# Altium PCB AD-FMComms3_revA.PcbDoc (part 4 of 5)
Units mil, origin at the board's own origin, x right, y up, seen from the top; angles counter-clockwise.
Board outline 3311.81 x 2716.54 mil, 10 copper layers (TOP, L2_GND, L3_PWR, L4_GND, L5_SIG, L6_SIG, L7_GND, L8_PWR, L9_GND, BOTTOM), stack 60.05 mil thick; 211 components, 138 nets, 808 pads, 812 vias.
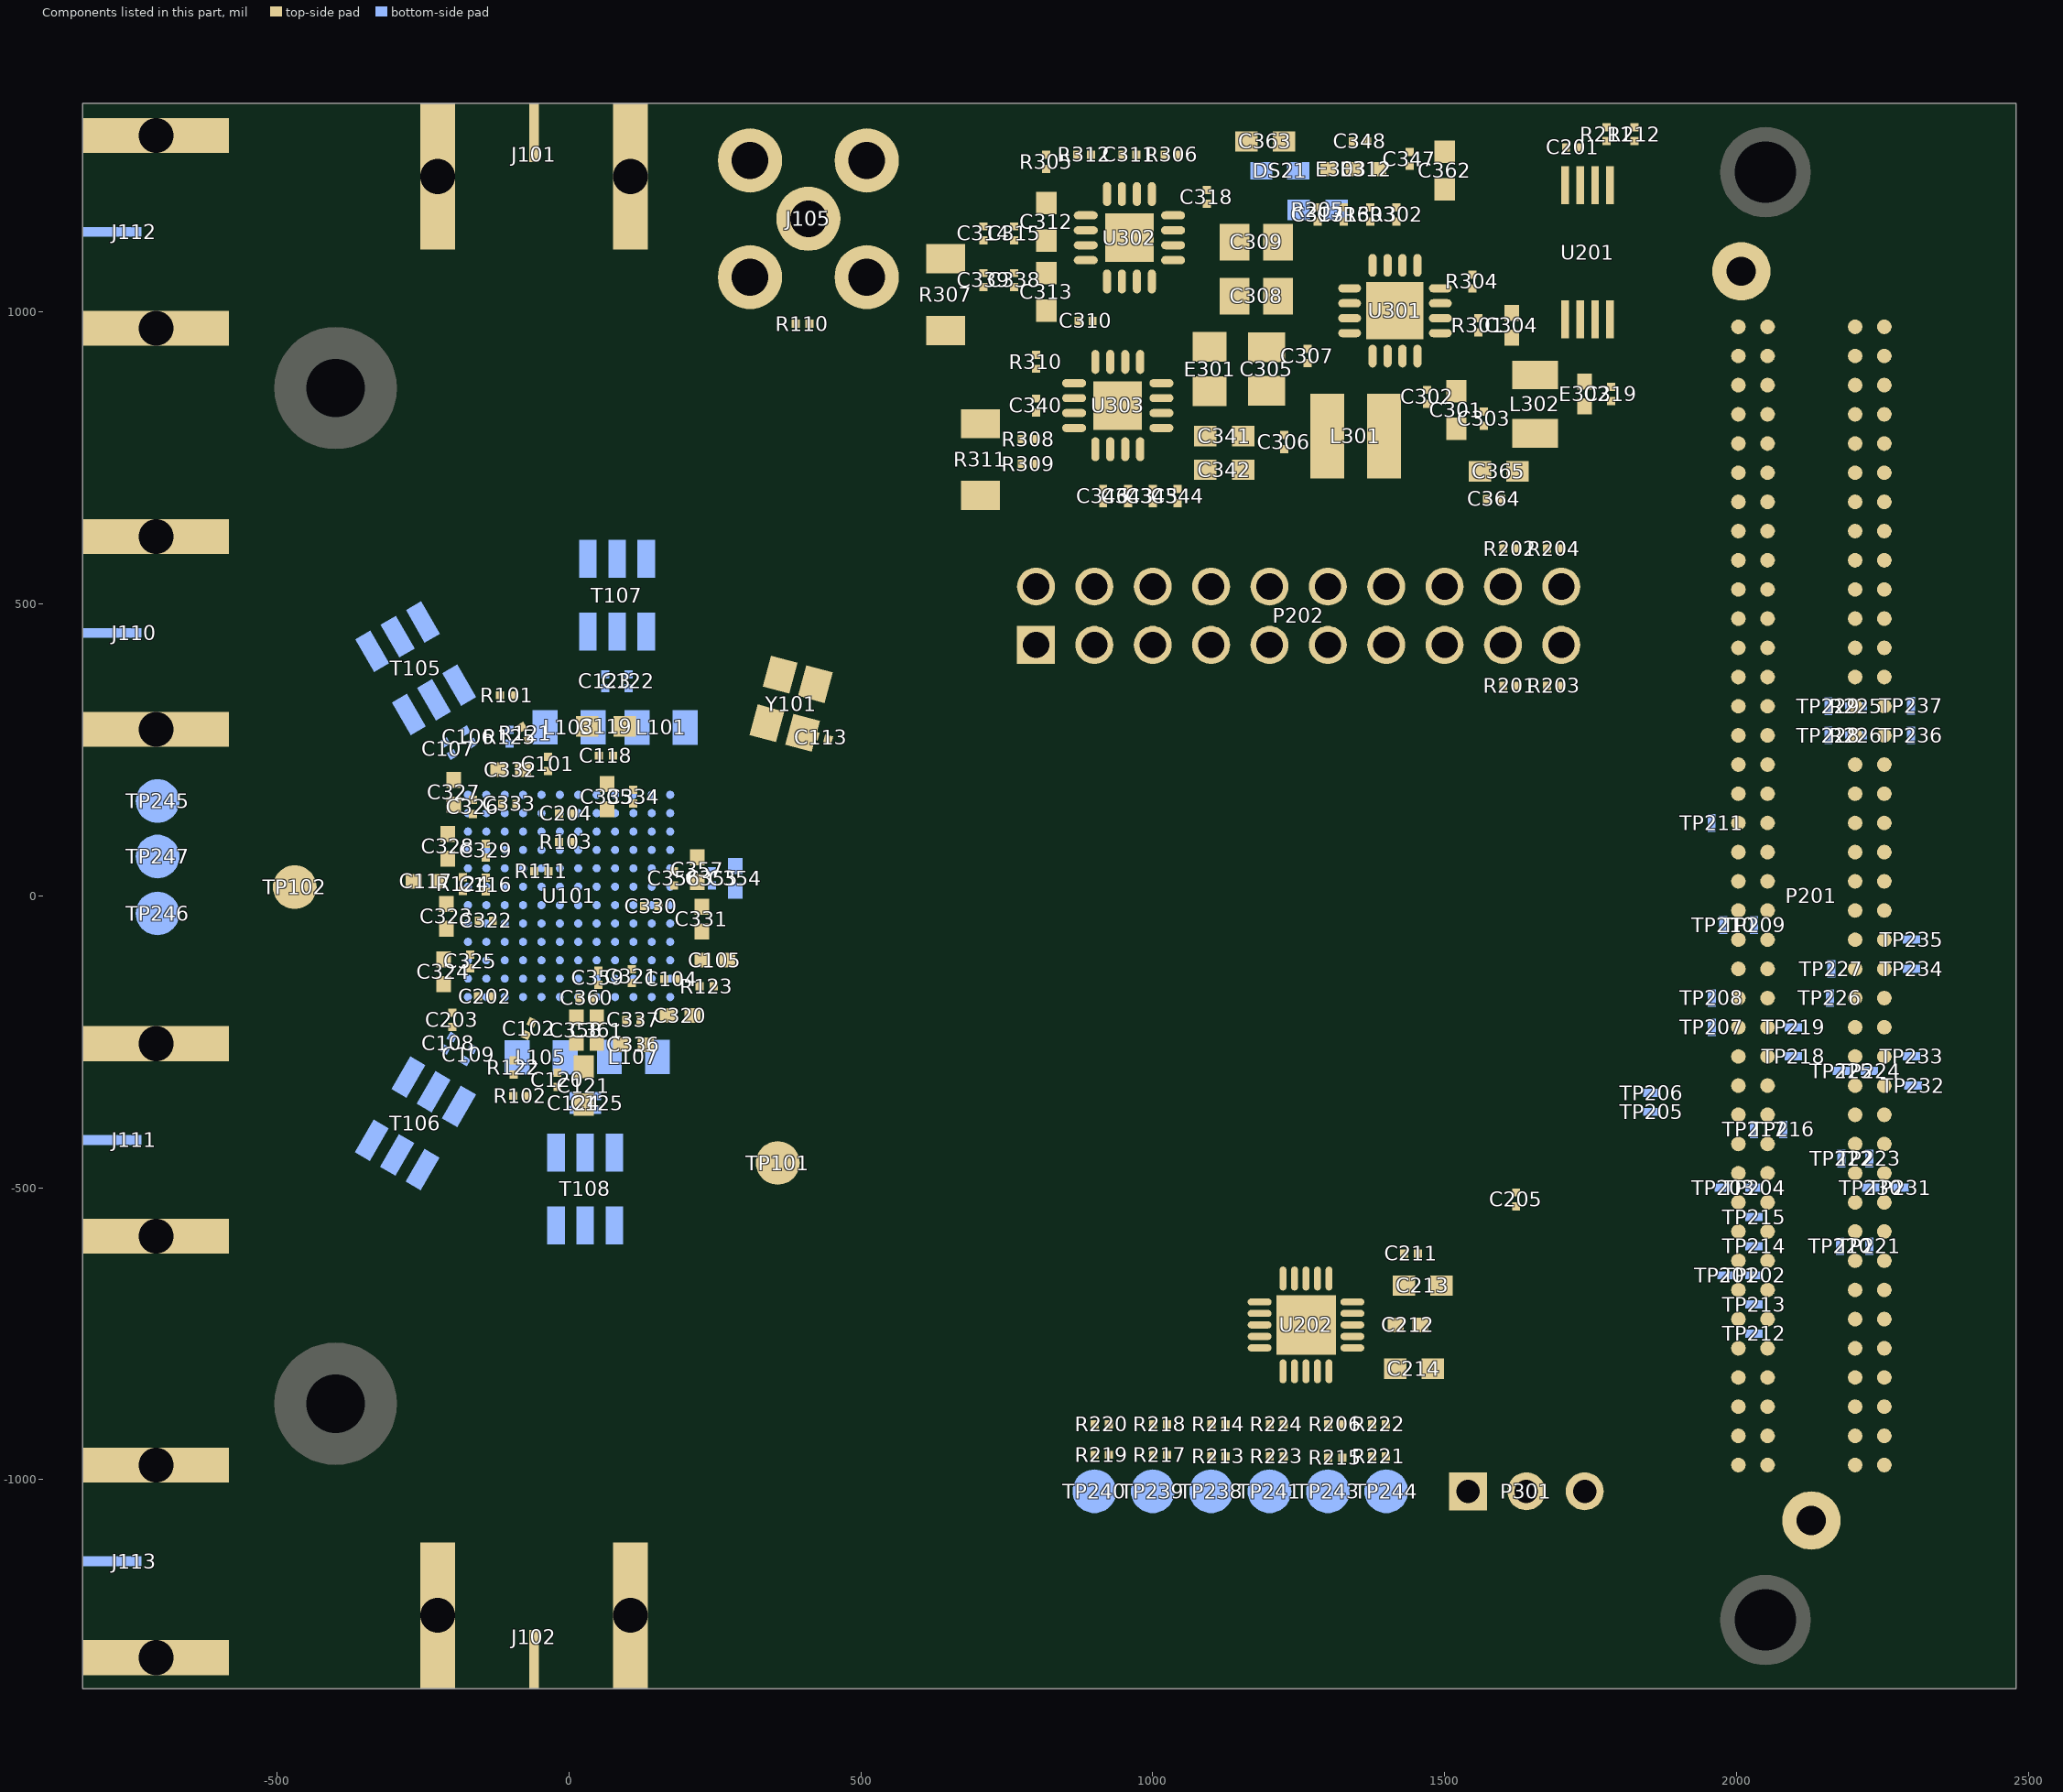
[diagram p12: the components of this part, seen from the top]

## Other copper (continued)
L2_GND:
  pour cut-out net GND_POWER: 2066.57,1070 2065.45,1081.37 2062.13,1092.31 2056.75,1102.39 2049.49,1111.22 2040.66,1118.48 2030.58,1123.86 2019.64,1127.18 2008.27,1128.3 1996.9,1127.18 1985.96,1123.86 1979.24,1120.27 1975.88,1118.48 1967.05,1111.22 1959.79,1102.39 1954.41,1092.31 1951.09,1081.37 1949.97,1070 1951.09,1058.63 1954.41,1047.69 1959.79,1037.61 1967.05,1028.78 1975.88,1021.52 1979.24,1019.73 1985.96,1016.14 1996.9,1012.82 2008.27,1011.7 2019.64,1012.82 2030.58,1016.14 2040.66,1021.52 2049.49,1028.78 2056.75,1037.61 2062.13,1047.69 2065.45,1058.63 2066.57,1070
  pour cut-out net GND_POWER: 2186.57,-1070 2185.45,-1058.63 2182.13,-1047.69 2176.75,-1037.61 2169.49,-1028.78 2160.66,-1021.52 2150.58,-1016.14 2139.64,-1012.82 2128.27,-1011.7 2116.9,-1012.82 2105.96,-1016.14 2099.24,-1019.73 2095.88,-1021.52 2087.05,-1028.78 2079.79,-1037.61 2074.41,-1047.69 2071.09,-1058.63 2069.97,-1070 2071.09,-1081.37 2074.41,-1092.31 2079.79,-1102.39 2087.05,-1111.22 2095.88,-1118.48 2099.24,-1120.27 2105.96,-1123.86 2116.9,-1127.18 2128.27,-1128.3 2139.64,-1127.18 2150.58,-1123.86 2160.66,-1118.48 2169.49,-1111.22 2176.75,-1102.39 2182.13,-1092.31 2185.45,-1081.37 2186.57,-1070
  pour cut-out net GND_POWER: 1780.87,-1020 1779.48,-1009.42 1775.39,-999.57 1768.9,-991.1 1760.43,-984.61 1750.58,-980.52 1740,-979.13 1729.42,-980.52 1719.57,-984.61 1711.1,-991.1 1704.61,-999.57 1700.52,-1009.42 1699.13,-1020 1700.52,-1030.58 1704.61,-1040.43 1711.1,-1048.9 1719.57,-1055.39 1729.42,-1059.48 1740,-1060.87 1750.58,-1059.48 1760.43,-1055.39 1768.9,-1048.9 1775.39,-1040.43 1779.48,-1030.58 1780.87,-1020
  pour cut-out net GND_POWER: 1640.87,530 1639.48,540.58 1635.39,550.43 1628.9,558.9 1620.43,565.39 1610.58,569.48 1600,570.87 1589.42,569.48 1579.57,565.39 1571.1,558.9 1564.61,550.43 1560.52,540.58 1559.13,530 1560.52,519.42 1564.61,509.57 1571.1,501.1 1579.57,494.61 1589.42,490.52 1600,489.13 1610.58,490.52 1620.43,494.61 1628.9,501.1 1635.39,509.57 1639.48,519.42 1640.87,530
  pour cut-out net GND_POWER: 1740.87,530 1739.48,540.58 1735.39,550.43 1728.9,558.9 1720.43,565.39 1710.58,569.48 1700,570.87 1689.42,569.48 1679.57,565.39 1671.1,558.9 1664.61,550.43 1660.52,540.58 1659.13,530 1660.52,519.42 1664.61,509.57 1671.1,501.1 1679.57,494.61 1689.42,490.52 1700,489.13 1710.58,490.52 1720.43,494.61 1728.9,501.1 1735.39,509.57 1739.48,519.42 1740.87,530
  pour cut-out net GND_POWER: 1640.87,430 1639.48,440.58 1635.39,450.43 1628.9,458.9 1620.43,465.39 1610.58,469.48 1600,470.87 1589.42,469.48 1579.57,465.39 1571.1,458.9 1564.61,450.43 1560.52,440.58 1559.13,430 1560.52,419.42 1564.61,409.57 1571.1,401.1 1579.57,394.61 1589.42,390.52 1600,389.13 1610.58,390.52 1620.43,394.61 1628.9,401.1 1635.39,409.57 1639.48,419.42 1640.87,430
  pour cut-out net GND_POWER: 1740.87,430 1739.48,440.58 1735.39,450.43 1728.9,458.9 1720.43,465.39 1710.58,469.48 1700,470.87 1689.42,469.48 1679.57,465.39 1671.1,458.9 1664.61,450.43 1660.52,440.58 1659.13,430 1660.52,419.42 1664.61,409.57 1671.1,401.1 1679.57,394.61 1689.42,390.52 1700,389.13 1710.58,390.52 1720.43,394.61 1728.9,401.1 1735.39,409.57 1739.48,419.42 1740.87,430
  pour cut-out net GND_POWER: 1580.87,-1020 1579.48,-1009.42 1575.39,-999.57 1568.9,-991.1 1560.43,-984.61 1550.58,-980.52 1540,-979.13 1529.42,-980.52 1519.57,-984.61 1511.1,-991.1 1504.61,-999.57 1500.52,-1009.42 1499.13,-1020 1500.52,-1030.58 1504.61,-1040.43 1511.1,-1048.9 1519.57,-1055.39 1529.42,-1059.48 1540,-1060.87 1550.58,-1059.48 1560.43,-1055.39 1568.9,-1048.9 1575.39,-1040.43 1579.48,-1030.58 1580.87,-1020
  pour cut-out net GND_POWER: 1680.87,-1020 1679.48,-1009.42 1675.39,-999.57 1668.9,-991.1 1660.43,-984.61 1650.58,-980.52 1640,-979.13 1629.42,-980.52 1619.57,-984.61 1611.1,-991.1 1604.61,-999.57 1600.52,-1009.42 1599.13,-1020 1600.52,-1030.58 1604.61,-1040.43 1611.1,-1048.9 1619.57,-1055.39 1629.42,-1059.48 1640,-1060.87 1650.58,-1059.48 1660.43,-1055.39 1668.9,-1048.9 1675.39,-1040.43 1679.48,-1030.58 1680.87,-1020
  pour cut-out net GND_POWER: 1340.87,530 1339.48,540.58 1335.39,550.43 1328.9,558.9 1320.43,565.39 1310.58,569.48 1300,570.87 1289.42,569.48 1279.57,565.39 1271.1,558.9 1264.61,550.43 1260.52,540.58 1259.13,530 1260.52,519.42 1264.61,509.57 1271.1,501.1 1279.57,494.61 1289.42,490.52 1300,489.13 1310.58,490.52 1320.43,494.61 1328.9,501.1 1335.39,509.57 1339.48,519.42 1340.87,530
  pour cut-out net GND_POWER: 1440.87,530 1439.48,540.58 1435.39,550.43 1428.9,558.9 1420.43,565.39 1410.58,569.48 1400,570.87 1389.42,569.48 1379.57,565.39 1371.1,558.9 1364.61,550.43 1360.52,540.58 1359.13,530 1360.52,519.42 1364.61,509.57 1371.1,501.1 1379.57,494.61 1389.42,490.52 1400,489.13 1410.58,490.52 1420.43,494.61 1428.9,501.1 1435.39,509.57 1439.48,519.42 1440.87,530
  pour cut-out net GND_POWER: 1540.87,530 1539.48,540.58 1535.39,550.43 1528.9,558.9 1520.43,565.39 1510.58,569.48 1500,570.87 1489.42,569.48 1479.57,565.39 1471.1,558.9 1464.61,550.43 1460.52,540.58 1459.13,530 1460.52,519.42 1464.61,509.57 1471.1,501.1 1479.57,494.61 1489.42,490.52 1500,489.13 1510.58,490.52 1520.43,494.61 1528.9,501.1 1535.39,509.57 1539.48,519.42 1540.87,530
  pour cut-out net GND_POWER: 1340.87,430 1339.48,440.58 1335.39,450.43 1328.9,458.9 1320.43,465.39 1310.58,469.48 1300,470.87 1289.42,469.48 1279.57,465.39 1271.1,458.9 1264.61,450.43 1260.52,440.58 1259.13,430 1260.52,419.42 1264.61,409.57 1271.1,401.1 1279.57,394.61 1289.42,390.52 1300,389.13 1310.58,390.52 1320.43,394.61 1328.9,401.1 1335.39,409.57 1339.48,419.42 1340.87,430
  pour cut-out net GND_POWER: 1440.87,430 1439.48,440.58 1435.39,450.43 1428.9,458.9 1420.43,465.39 1410.58,469.48 1400,470.87 1389.42,469.48 1379.57,465.39 1371.1,458.9 1364.61,450.43 1360.52,440.58 1359.13,430 1360.52,419.42 1364.61,409.57 1371.1,401.1 1379.57,394.61 1389.42,390.52 1400,389.13 1410.58,390.52 1420.43,394.61 1428.9,401.1 1435.39,409.57 1439.48,419.42 1440.87,430
  pour cut-out net GND_POWER: 1540.87,430 1539.48,440.58 1535.39,450.43 1528.9,458.9 1520.43,465.39 1510.58,469.48 1500,470.87 1489.42,469.48 1479.57,465.39 1471.1,458.9 1464.61,450.43 1460.52,440.58 1459.13,430 1460.52,419.42 1464.61,409.57 1471.1,401.1 1479.57,394.61 1489.42,390.52 1500,389.13 1510.58,390.52 1520.43,394.61 1528.9,401.1 1535.39,409.57 1539.48,419.42 1540.87,430
  pour cut-out net GND_POWER: 1140.87,530 1139.48,540.58 1135.39,550.43 1128.9,558.9 1120.43,565.39 1110.58,569.48 1100,570.87 1089.42,569.48 1079.57,565.39 1071.1,558.9 1064.61,550.43 1060.52,540.58 1059.13,530 1060.52,519.42 1064.61,509.57 1071.1,501.1 1079.57,494.61 1089.42,490.52 1100,489.13 1110.58,490.52 1120.43,494.61 1128.9,501.1 1135.39,509.57 1139.48,519.42 1140.87,530
  pour cut-out net GND_POWER: 1240.87,530 1239.48,540.58 1235.39,550.43 1228.9,558.9 1220.43,565.39 1210.58,569.48 1200,570.87 1189.42,569.48 1179.57,565.39 1171.1,558.9 1164.61,550.43 1160.52,540.58 1159.13,530 1160.52,519.42 1164.61,509.57 1171.1,501.1 1179.57,494.61 1189.42,490.52 1200,489.13 1210.58,490.52 1220.43,494.61 1228.9,501.1 1235.39,509.57 1239.48,519.42 1240.87,530
  pour cut-out net GND_POWER: 1140.87,430 1139.48,440.58 1135.39,450.43 1128.9,458.9 1120.43,465.39 1110.58,469.48 1100,470.87 1089.42,469.48 1079.57,465.39 1071.1,458.9 1064.61,450.43 1060.52,440.58 1059.13,430 1060.52,419.42 1064.61,409.57 1071.1,401.1 1079.57,394.61 1089.42,390.52 1100,389.13 1110.58,390.52 1120.43,394.61 1128.9,401.1 1135.39,409.57 1139.48,419.42 1140.87,430
  pour cut-out net GND_POWER: 1240.87,430 1239.48,440.58 1235.39,450.43 1228.9,458.9 1220.43,465.39 1210.58,469.48 1200,470.87 1189.42,469.48 1179.57,465.39 1171.1,458.9 1164.61,450.43 1160.52,440.58 1159.13,430 1160.52,419.42 1164.61,409.57 1171.1,401.1 1179.57,394.61 1189.42,390.52 1200,389.13 1210.58,390.52 1220.43,394.61 1228.9,401.1 1235.39,409.57 1239.48,419.42 1240.87,430
  pour cut-out net GND_POWER: 940.87,530 939.48,540.58 935.39,550.43 928.9,558.9 920.43,565.39 910.58,569.48 900,570.87 889.42,569.48 879.57,565.39 871.1,558.9 864.61,550.43 860.52,540.58 859.13,530 860.52,519.42 864.61,509.57 871.1,501.1 879.57,494.61 889.42,490.52 900,489.13 910.58,490.52 920.43,494.61 928.9,501.1 935.39,509.57 939.48,519.42 940.87,530
  pour cut-out net GND_POWER: 1040.87,530 1039.48,540.58 1035.39,550.43 1028.9,558.9 1020.43,565.39 1010.58,569.48 1000,570.87 989.42,569.48 979.57,565.39 971.1,558.9 964.61,550.43 960.52,540.58 959.13,530 960.52,519.42 964.61,509.57 971.1,501.1 979.57,494.61 989.42,490.52 1000,489.13 1010.58,490.52 1020.43,494.61 1028.9,501.1 1035.39,509.57 1039.48,519.42 1040.87,530
  pour cut-out net GND_POWER: 940.87,430 939.48,440.58 935.39,450.43 928.9,458.9 920.43,465.39 910.58,469.48 900,470.87 889.42,469.48 879.57,465.39 871.1,458.9 864.61,450.43 860.52,440.58 859.13,430 860.52,419.42 864.61,409.57 871.1,401.1 879.57,394.61 889.42,390.52 900,389.13 910.58,390.52 920.43,394.61 928.9,401.1 935.39,409.57 939.48,419.42 940.87,430
  pour cut-out net GND_POWER: 1040.87,430 1039.48,440.58 1035.39,450.43 1028.9,458.9 1020.43,465.39 1010.58,469.48 1000,470.87 989.42,469.48 979.57,465.39 971.1,458.9 964.61,450.43 960.52,440.58 959.13,430 960.52,419.42 964.61,409.57 971.1,401.1 979.57,394.61 989.42,390.52 1000,389.13 1010.58,390.52 1020.43,394.61 1028.9,401.1 1035.39,409.57 1039.48,419.42 1040.87,430
  pour cut-out net GND_POWER: 840.87,530 839.48,540.58 835.39,550.43 828.9,558.9 820.43,565.39 810.58,569.48 800,570.87 789.42,569.48 779.57,565.39 771.1,558.9 764.61,550.43 760.52,540.58 759.13,530 760.52,519.42 764.61,509.57 771.1,501.1 779.57,494.61 789.42,490.52 800,489.13 810.58,490.52 820.43,494.61 828.9,501.1 835.39,509.57 839.48,519.42 840.87,530
  pour cut-out net GND_POWER: 840.87,430 839.48,440.58 835.39,450.43 828.9,458.9 820.43,465.39 810.58,469.48 800,470.87 789.42,469.48 779.57,465.39 771.1,458.9 764.61,450.43 760.52,440.58 759.13,430 760.52,419.42 764.61,409.57 771.1,401.1 779.57,394.61 789.42,390.52 800,389.13 810.58,390.52 820.43,394.61 828.9,401.1 835.39,409.57 839.48,419.42 840.87,430
  region net GND_POWER: 738 vertices and 0 holes, not listed, extent -833.07,-1357.5 2452.5,1357.5
  text "2" at 2422.03,1284.48 h31 r270
L3_PWR:
  pour cut-out net GND_POWER: 2186.57,-1070 2185.45,-1058.63 2182.13,-1047.69 2176.75,-1037.61 2169.49,-1028.78 2160.66,-1021.52 2150.58,-1016.14 2139.64,-1012.82 2128.27,-1011.7 2116.9,-1012.82 2105.96,-1016.14 2099.24,-1019.73 2095.88,-1021.52 2087.05,-1028.78 2079.79,-1037.61 2074.41,-1047.69 2071.09,-1058.63 2069.97,-1070 2071.09,-1081.37 2074.41,-1092.31 2079.79,-1102.39 2087.05,-1111.22 2095.88,-1118.48 2099.24,-1120.27 2105.96,-1123.86 2116.9,-1127.18 2128.27,-1128.3 2139.64,-1127.18 2150.58,-1123.86 2160.66,-1118.48 2169.49,-1111.22 2176.75,-1102.39 2182.13,-1092.31 2185.45,-1081.37 2186.57,-1070
  pour cut-out: 1109.34,-988.01 1109.08,-988.25 1108.81,-988.46 1108.51,-988.64 1108.2,-988.8 1107.88,-988.94 1107.55,-989.04 1107.21,-989.12 1106.86,-989.16 1106.51,-989.18 1106.16,-989.16 1105.82,-989.11 1105.48,-989.04 1105.14,-988.93 1104.82,-988.8 1104.51,-988.64 1104.22,-988.45 1103.94,-988.24 1103.69,-988 1103.45,-987.74 1103.24,-987.47 1103.05,-987.17 1102.89,-986.86 1102.76,-986.54 1102.65,-986.21 1102.58,-985.87 1102.53,-985.52 1102.52,-985.18 1102.52,-742.86 1114.66,-730.72 1114.92,-730.48 1115.19,-730.27 1115.49,-730.09 1115.8,-729.93 1116.12,-729.79 1116.45,-729.69 1116.79,-729.61 1117.14,-729.57 1117.49,-729.55 1117.84,-729.57 1118.18,-729.61 1118.52,-729.69 1118.85,-729.8 1119.18,-729.93 1119.49,-730.09 1119.78,-730.28 1120.06,-730.49 1120.31,-730.73 1120.55,-730.98 1120.76,-731.26 1120.95,-731.56 1121.11,-731.87 1121.24,-732.19 1121.35,-732.52 1121.42,-732.86 1121.47,-733.21 1121.48,-733.55 1121.48,-975.87 1109.34,-988.01
  pour cut-out: 1572.71,459.95 1572.44,459.73 1572.16,459.53 1571.85,459.35 1571.54,459.21 1571.21,459.09 1570.87,459 1570.53,458.94 1570.18,458.91 1569.83,458.91 1569.48,458.94 1569.14,459.01 1568.8,459.1 1568.48,459.22 1568.16,459.37 1567.86,459.54 1567.57,459.74 1567.31,459.97 1567.06,460.22 1566.84,460.48 1566.64,460.77 1566.47,461.07 1566.32,461.39 1566.2,461.72 1566.11,462.05 1566.05,462.4 1566.02,462.75 1566.02,462.9 1566.02,497.1 1566.04,497.45 1566.08,497.79 1566.16,498.13 1566.26,498.47 1566.4,498.79 1566.56,499.1 1566.75,499.39 1566.96,499.67 1567.2,499.93 1567.45,500.16 1567.73,500.37 1568.03,500.56 1568.34,500.72 1568.66,500.85 1568.99,500.96 1569.33,501.03 1569.68,501.08 1570.03,501.09 1570.37,501.08 1570.72,501.03 1571.06,500.95 1571.39,500.85 1571.71,500.71 1572.02,500.55 1572.32,500.36 1572.59,500.15 1572.71,500.05 1575.42,497.78 1578.32,495.76 1581.39,494.01 1584.6,492.52 1587.92,491.32 1591.34,490.41 1594.82,489.81 1598.35,489.51 1601.88,489.52 1603.17,489.6 1603.52,489.61 1603.87,489.59 1604.21,489.55 1604.55,489.47 1604.88,489.36 1605.2,489.22 1605.51,489.06 1605.8,488.87 1606.08,488.65 1606.33,488.42 1606.57,488.16 1606.78,487.88 1606.96,487.58 1607.12,487.27 1607.25,486.95 1607.35,486.62 1607.43,486.28 1607.47,485.93 1607.48,485.62 1607.48,474.38 1607.46,474.03 1607.42,473.69 1607.34,473.35 1607.24,473.01 1607.1,472.69 1606.94,472.38 1606.75,472.09 1606.54,471.81 1606.31,471.56 1606.05,471.32 1605.77,471.11 1605.48,470.92 1605.17,470.76 1604.85,470.63 1604.51,470.52 1604.17,470.45 1603.83,470.4 1603.48,470.39 1603.17,470.4 1599.64,470.52 1596.11,470.34 1592.61,469.84 1589.16,469.05 1585.8,467.95 1582.55,466.57 1579.43,464.91 1576.46,462.98 1573.68,460.8 1572.71,459.95
  pour cut-out: 1572.71,559.95 1572.44,559.73 1572.16,559.53 1571.85,559.35 1571.54,559.21 1571.21,559.09 1570.87,559 1570.53,558.94 1570.18,558.91 1569.83,558.91 1569.48,558.94 1569.14,559.01 1568.8,559.1 1568.48,559.22 1568.16,559.37 1567.86,559.54 1567.57,559.74 1567.31,559.97 1567.06,560.22 1566.84,560.48 1566.64,560.77 1566.47,561.07 1566.32,561.39 1566.2,561.72 1566.11,562.05 1566.05,562.4 1566.02,562.75 1566.02,562.9 1566.02,610.87 1600.66,645.51 1600.92,645.75 1601.19,645.96 1601.49,646.15 1601.8,646.31 1602.12,646.44 1602.45,646.55 1602.79,646.62 1603.14,646.67 1603.49,646.68 1603.84,646.67 1604.18,646.62 1604.52,646.55 1604.86,646.44 1605.18,646.31 1605.49,646.15 1605.78,645.96 1606.06,645.75 1606.32,645.51 1606.55,645.25 1606.77,644.98 1606.95,644.68 1607.12,644.37 1607.25,644.05 1607.35,643.72 1607.43,643.38 1607.47,643.03 1607.49,642.68 1607.49,574.38 1607.47,574.03 1607.43,573.69 1607.35,573.35 1607.25,573.01 1607.11,572.69 1606.95,572.38 1606.76,572.09 1606.55,571.81 1606.31,571.55 1606.06,571.32 1605.78,571.11 1605.48,570.92 1605.17,570.76 1604.85,570.63 1604.52,570.52 1604.18,570.45 1603.83,570.4 1603.48,570.39 1603.17,570.4 1599.64,570.52 1596.11,570.34 1592.61,569.84 1589.16,569.05 1585.8,567.95 1582.55,566.57 1579.43,564.91 1576.46,562.98 1573.68,560.8 1572.71,559.95
  pour cut-out net GND_POWER: 1440.87,430 1439.48,440.58 1435.39,450.43 1428.9,458.9 1420.43,465.39 1410.58,469.48 1400,470.87 1389.42,469.48 1379.57,465.39 1371.1,458.9 1364.61,450.43 1360.52,440.58 1359.13,430 1360.52,419.42 1364.61,409.57 1371.1,401.1 1379.57,394.61 1389.42,390.52 1400,389.13 1410.58,390.52 1420.43,394.61 1428.9,401.1 1435.39,409.57 1439.48,419.42 1440.87,430
  pour cut-out net 3P3V: 1780.87,-1020 1779.48,-1009.42 1775.39,-999.57 1768.9,-991.1 1760.43,-984.61 1750.58,-980.52 1740,-979.13 1729.42,-980.52 1719.57,-984.61 1711.1,-991.1 1704.61,-999.57 1700.52,-1009.42 1699.13,-1020 1700.52,-1030.58 1704.61,-1040.43 1711.1,-1048.9 1719.57,-1055.39 1729.42,-1059.48 1740,-1060.87 1750.58,-1059.48 1760.43,-1055.39 1768.9,-1048.9 1775.39,-1040.43 1779.48,-1030.58 1780.87,-1020
  pour cut-out net 3P3V: 1740.87,530 1739.48,540.58 1735.39,550.43 1728.9,558.9 1720.43,565.39 1710.58,569.48 1700,570.87 1689.42,569.48 1679.57,565.39 1671.1,558.9 1664.61,550.43 1660.52,540.58 1659.13,530 1660.52,519.42 1664.61,509.57 1671.1,501.1 1679.57,494.61 1689.42,490.52 1700,489.13 1710.58,490.52 1720.43,494.61 1728.9,501.1 1735.39,509.57 1739.48,519.42 1740.87,530
  pour cut-out net 3P3V: 1580.87,-1020 1579.48,-1009.42 1575.39,-999.57 1568.9,-991.1 1560.43,-984.61 1550.58,-980.52 1540,-979.13 1529.42,-980.52 1519.57,-984.61 1511.1,-991.1 1504.61,-999.57 1500.52,-1009.42 1499.13,-1020 1500.52,-1030.58 1504.61,-1040.43 1511.1,-1048.9 1519.57,-1055.39 1529.42,-1059.48 1540,-1060.87 1550.58,-1059.48 1560.43,-1055.39 1568.9,-1048.9 1575.39,-1040.43 1579.48,-1030.58 1580.87,-1020
  pour cut-out net 3P3V: 1680.87,-1020 1679.48,-1009.42 1675.39,-999.57 1668.9,-991.1 1660.43,-984.61 1650.58,-980.52 1640,-979.13 1629.42,-980.52 1619.57,-984.61 1611.1,-991.1 1604.61,-999.57 1600.52,-1009.42 1599.13,-1020 1600.52,-1030.58 1604.61,-1040.43 1611.1,-1048.9 1619.57,-1055.39 1629.42,-1059.48 1640,-1060.87 1650.58,-1059.48 1660.43,-1055.39 1668.9,-1048.9 1675.39,-1040.43 1679.48,-1030.58 1680.87,-1020
  pour cut-out net VDD_INTERFACE: 1140.87,530 1139.48,540.58 1135.39,550.43 1128.9,558.9 1120.43,565.39 1110.58,569.48 1100,570.87 1089.42,569.48 1079.57,565.39 1071.1,558.9 1064.61,550.43 1060.52,540.58 1059.13,530 1060.52,519.42 1064.61,509.57 1071.1,501.1 1079.57,494.61 1089.42,490.52 1100,489.13 1110.58,490.52 1120.43,494.61 1128.9,501.1 1135.39,509.57 1139.48,519.42 1140.87,530
  pour cut-out net VDD_INTERFACE: 1240.87,530 1239.48,540.58 1235.39,550.43 1228.9,558.9 1220.43,565.39 1210.58,569.48 1200,570.87 1189.42,569.48 1179.57,565.39 1171.1,558.9 1164.61,550.43 1160.52,540.58 1159.13,530 1160.52,519.42 1164.61,509.57 1171.1,501.1 1179.57,494.61 1189.42,490.52 1200,489.13 1210.58,490.52 1220.43,494.61 1228.9,501.1 1235.39,509.57 1239.48,519.42 1240.87,530
  pour cut-out net VDD_INTERFACE: 1140.87,430 1139.48,440.58 1135.39,450.43 1128.9,458.9 1120.43,465.39 1110.58,469.48 1100,470.87 1089.42,469.48 1079.57,465.39 1071.1,458.9 1064.61,450.43 1060.52,440.58 1059.13,430 1060.52,419.42 1064.61,409.57 1071.1,401.1 1079.57,394.61 1089.42,390.52 1100,389.13 1110.58,390.52 1120.43,394.61 1128.9,401.1 1135.39,409.57 1139.48,419.42 1140.87,430
  pour cut-out net VDD_INTERFACE: 940.87,530 939.48,540.58 935.39,550.43 928.9,558.9 920.43,565.39 910.58,569.48 900,570.87 889.42,569.48 879.57,565.39 871.1,558.9 864.61,550.43 860.52,540.58 859.13,530 860.52,519.42 864.61,509.57 871.1,501.1 879.57,494.61 889.42,490.52 900,489.13 910.58,490.52 920.43,494.61 928.9,501.1 935.39,509.57 939.48,519.42 940.87,530
  pour cut-out net VDD_INTERFACE: 1040.87,530 1039.48,540.58 1035.39,550.43 1028.9,558.9 1020.43,565.39 1010.58,569.48 1000,570.87 989.42,569.48 979.57,565.39 971.1,558.9 964.61,550.43 960.52,540.58 959.13,530 960.52,519.42 964.61,509.57 971.1,501.1 979.57,494.61 989.42,490.52 1000,489.13 1010.58,490.52 1020.43,494.61 1028.9,501.1 1035.39,509.57 1039.48,519.42 1040.87,530
  pour cut-out net VDD_INTERFACE: 940.87,430 939.48,440.58 935.39,450.43 928.9,458.9 920.43,465.39 910.58,469.48 900,470.87 889.42,469.48 879.57,465.39 871.1,458.9 864.61,450.43 860.52,440.58 859.13,430 860.52,419.42 864.61,409.57 871.1,401.1 879.57,394.61 889.42,390.52 900,389.13 910.58,390.52 920.43,394.61 928.9,401.1 935.39,409.57 939.48,419.42 940.87,430
  pour cut-out net VDD_INTERFACE: 1040.87,430 1039.48,440.58 1035.39,450.43 1028.9,458.9 1020.43,465.39 1010.58,469.48 1000,470.87 989.42,469.48 979.57,465.39 971.1,458.9 964.61,450.43 960.52,440.58 959.13,430 960.52,419.42 964.61,409.57 971.1,401.1 979.57,394.61 989.42,390.52 1000,389.13 1010.58,390.52 1020.43,394.61 1028.9,401.1 1035.39,409.57 1039.48,419.42 1040.87,430
  pour cut-out net VDD_INTERFACE: 840.87,530 839.48,540.58 835.39,550.43 828.9,558.9 820.43,565.39 810.58,569.48 800,570.87 789.42,569.48 779.57,565.39 771.1,558.9 764.61,550.43 760.52,540.58 759.13,530 760.52,519.42 764.61,509.57 771.1,501.1 779.57,494.61 789.42,490.52 800,489.13 810.58,490.52 820.43,494.61 828.9,501.1 835.39,509.57 839.48,519.42 840.87,530
  pour cut-out net VDD_INTERFACE: 840.87,430 839.48,440.58 835.39,450.43 828.9,458.9 820.43,465.39 810.58,469.48 800,470.87 789.42,469.48 779.57,465.39 771.1,458.9 764.61,450.43 760.52,440.58 759.13,430 760.52,419.42 764.61,409.57 771.1,401.1 779.57,394.61 789.42,390.52 800,389.13 810.58,390.52 820.43,394.61 828.9,401.1 835.39,409.57 839.48,419.42 840.87,430
  text "3" at 2422.03,1234.48 h31 r270
L4_GND:
  pour cut-out net GND_POWER: 2066.57,1070 2065.45,1081.37 2062.13,1092.31 2056.75,1102.39 2049.49,1111.22 2040.66,1118.48 2030.58,1123.86 2019.64,1127.18 2008.27,1128.3 1996.9,1127.18 1985.96,1123.86 1979.24,1120.27 1975.88,1118.48 1967.05,1111.22 1959.79,1102.39 1954.41,1092.31 1951.09,1081.37 1949.97,1070 1951.09,1058.63 1954.41,1047.69 1959.79,1037.61 1967.05,1028.78 1975.88,1021.52 1979.24,1019.73 1985.96,1016.14 1996.9,1012.82 2008.27,1011.7 2019.64,1012.82 2030.58,1016.14 2040.66,1021.52 2049.49,1028.78 2056.75,1037.61 2062.13,1047.69 2065.45,1058.63 2066.57,1070
  pour cut-out net GND_POWER: 2186.57,-1070 2185.45,-1058.63 2182.13,-1047.69 2176.75,-1037.61 2169.49,-1028.78 2160.66,-1021.52 2150.58,-1016.14 2139.64,-1012.82 2128.27,-1011.7 2116.9,-1012.82 2105.96,-1016.14 2099.24,-1019.73 2095.88,-1021.52 2087.05,-1028.78 2079.79,-1037.61 2074.41,-1047.69 2071.09,-1058.63 2069.97,-1070 2071.09,-1081.37 2074.41,-1092.31 2079.79,-1102.39 2087.05,-1111.22 2095.88,-1118.48 2099.24,-1120.27 2105.96,-1123.86 2116.9,-1127.18 2128.27,-1128.3 2139.64,-1127.18 2150.58,-1123.86 2160.66,-1118.48 2169.49,-1111.22 2176.75,-1102.39 2182.13,-1092.31 2185.45,-1081.37 2186.57,-1070
  pour cut-out net GND_POWER: 1780.87,-1020 1779.48,-1009.42 1775.39,-999.57 1768.9,-991.1 1760.43,-984.61 1750.58,-980.52 1740,-979.13 1729.42,-980.52 1719.57,-984.61 1711.1,-991.1 1704.61,-999.57 1700.52,-1009.42 1699.13,-1020 1700.52,-1030.58 1704.61,-1040.43 1711.1,-1048.9 1719.57,-1055.39 1729.42,-1059.48 1740,-1060.87 1750.58,-1059.48 1760.43,-1055.39 1768.9,-1048.9 1775.39,-1040.43 1779.48,-1030.58 1780.87,-1020
  pour cut-out net GND_POWER: 1640.87,530 1639.48,540.58 1635.39,550.43 1628.9,558.9 1620.43,565.39 1610.58,569.48 1600,570.87 1589.42,569.48 1579.57,565.39 1571.1,558.9 1564.61,550.43 1560.52,540.58 1559.13,530 1560.52,519.42 1564.61,509.57 1571.1,501.1 1579.57,494.61 1589.42,490.52 1600,489.13 1610.58,490.52 1620.43,494.61 1628.9,501.1 1635.39,509.57 1639.48,519.42 1640.87,530
  pour cut-out net GND_POWER: 1740.87,530 1739.48,540.58 1735.39,550.43 1728.9,558.9 1720.43,565.39 1710.58,569.48 1700,570.87 1689.42,569.48 1679.57,565.39 1671.1,558.9 1664.61,550.43 1660.52,540.58 1659.13,530 1660.52,519.42 1664.61,509.57 1671.1,501.1 1679.57,494.61 1689.42,490.52 1700,489.13 1710.58,490.52 1720.43,494.61 1728.9,501.1 1735.39,509.57 1739.48,519.42 1740.87,530
  pour cut-out net GND_POWER: 1640.87,430 1639.48,440.58 1635.39,450.43 1628.9,458.9 1620.43,465.39 1610.58,469.48 1600,470.87 1589.42,469.48 1579.57,465.39 1571.1,458.9 1564.61,450.43 1560.52,440.58 1559.13,430 1560.52,419.42 1564.61,409.57 1571.1,401.1 1579.57,394.61 1589.42,390.52 1600,389.13 1610.58,390.52 1620.43,394.61 1628.9,401.1 1635.39,409.57 1639.48,419.42 1640.87,430
  pour cut-out net GND_POWER: 1740.87,430 1739.48,440.58 1735.39,450.43 1728.9,458.9 1720.43,465.39 1710.58,469.48 1700,470.87 1689.42,469.48 1679.57,465.39 1671.1,458.9 1664.61,450.43 1660.52,440.58 1659.13,430 1660.52,419.42 1664.61,409.57 1671.1,401.1 1679.57,394.61 1689.42,390.52 1700,389.13 1710.58,390.52 1720.43,394.61 1728.9,401.1 1735.39,409.57 1739.48,419.42 1740.87,430
  pour cut-out net GND_POWER: 1580.87,-1020 1579.48,-1009.42 1575.39,-999.57 1568.9,-991.1 1560.43,-984.61 1550.58,-980.52 1540,-979.13 1529.42,-980.52 1519.57,-984.61 1511.1,-991.1 1504.61,-999.57 1500.52,-1009.42 1499.13,-1020 1500.52,-1030.58 1504.61,-1040.43 1511.1,-1048.9 1519.57,-1055.39 1529.42,-1059.48 1540,-1060.87 1550.58,-1059.48 1560.43,-1055.39 1568.9,-1048.9 1575.39,-1040.43 1579.48,-1030.58 1580.87,-1020
  pour cut-out net GND_POWER: 1680.87,-1020 1679.48,-1009.42 1675.39,-999.57 1668.9,-991.1 1660.43,-984.61 1650.58,-980.52 1640,-979.13 1629.42,-980.52 1619.57,-984.61 1611.1,-991.1 1604.61,-999.57 1600.52,-1009.42 1599.13,-1020 1600.52,-1030.58 1604.61,-1040.43 1611.1,-1048.9 1619.57,-1055.39 1629.42,-1059.48 1640,-1060.87 1650.58,-1059.48 1660.43,-1055.39 1668.9,-1048.9 1675.39,-1040.43 1679.48,-1030.58 1680.87,-1020
  pour cut-out net GND_POWER: 1340.87,530 1339.48,540.58 1335.39,550.43 1328.9,558.9 1320.43,565.39 1310.58,569.48 1300,570.87 1289.42,569.48 1279.57,565.39 1271.1,558.9 1264.61,550.43 1260.52,540.58 1259.13,530 1260.52,519.42 1264.61,509.57 1271.1,501.1 1279.57,494.61 1289.42,490.52 1300,489.13 1310.58,490.52 1320.43,494.61 1328.9,501.1 1335.39,509.57 1339.48,519.42 1340.87,530
  pour cut-out net GND_POWER: 1440.87,530 1439.48,540.58 1435.39,550.43 1428.9,558.9 1420.43,565.39 1410.58,569.48 1400,570.87 1389.42,569.48 1379.57,565.39 1371.1,558.9 1364.61,550.43 1360.52,540.58 1359.13,530 1360.52,519.42 1364.61,509.57 1371.1,501.1 1379.57,494.61 1389.42,490.52 1400,489.13 1410.58,490.52 1420.43,494.61 1428.9,501.1 1435.39,509.57 1439.48,519.42 1440.87,530
  pour cut-out net GND_POWER: 1540.87,530 1539.48,540.58 1535.39,550.43 1528.9,558.9 1520.43,565.39 1510.58,569.48 1500,570.87 1489.42,569.48 1479.57,565.39 1471.1,558.9 1464.61,550.43 1460.52,540.58 1459.13,530 1460.52,519.42 1464.61,509.57 1471.1,501.1 1479.57,494.61 1489.42,490.52 1500,489.13 1510.58,490.52 1520.43,494.61 1528.9,501.1 1535.39,509.57 1539.48,519.42 1540.87,530
  pour cut-out net GND_POWER: 1340.87,430 1339.48,440.58 1335.39,450.43 1328.9,458.9 1320.43,465.39 1310.58,469.48 1300,470.87 1289.42,469.48 1279.57,465.39 1271.1,458.9 1264.61,450.43 1260.52,440.58 1259.13,430 1260.52,419.42 1264.61,409.57 1271.1,401.1 1279.57,394.61 1289.42,390.52 1300,389.13 1310.58,390.52 1320.43,394.61 1328.9,401.1 1335.39,409.57 1339.48,419.42 1340.87,430
  pour cut-out net GND_POWER: 1440.87,430 1439.48,440.58 1435.39,450.43 1428.9,458.9 1420.43,465.39 1410.58,469.48 1400,470.87 1389.42,469.48 1379.57,465.39 1371.1,458.9 1364.61,450.43 1360.52,440.58 1359.13,430 1360.52,419.42 1364.61,409.57 1371.1,401.1 1379.57,394.61 1389.42,390.52 1400,389.13 1410.58,390.52 1420.43,394.61 1428.9,401.1 1435.39,409.57 1439.48,419.42 1440.87,430
  pour cut-out net GND_POWER: 1540.87,430 1539.48,440.58 1535.39,450.43 1528.9,458.9 1520.43,465.39 1510.58,469.48 1500,470.87 1489.42,469.48 1479.57,465.39 1471.1,458.9 1464.61,450.43 1460.52,440.58 1459.13,430 1460.52,419.42 1464.61,409.57 1471.1,401.1 1479.57,394.61 1489.42,390.52 1500,389.13 1510.58,390.52 1520.43,394.61 1528.9,401.1 1535.39,409.57 1539.48,419.42 1540.87,430
  pour cut-out net GND_POWER: 1140.87,530 1139.48,540.58 1135.39,550.43 1128.9,558.9 1120.43,565.39 1110.58,569.48 1100,570.87 1089.42,569.48 1079.57,565.39 1071.1,558.9 1064.61,550.43 1060.52,540.58 1059.13,530 1060.52,519.42 1064.61,509.57 1071.1,501.1 1079.57,494.61 1089.42,490.52 1100,489.13 1110.58,490.52 1120.43,494.61 1128.9,501.1 1135.39,509.57 1139.48,519.42 1140.87,530
  pour cut-out net GND_POWER: 1240.87,530 1239.48,540.58 1235.39,550.43 1228.9,558.9 1220.43,565.39 1210.58,569.48 1200,570.87 1189.42,569.48 1179.57,565.39 1171.1,558.9 1164.61,550.43 1160.52,540.58 1159.13,530 1160.52,519.42 1164.61,509.57 1171.1,501.1 1179.57,494.61 1189.42,490.52 1200,489.13 1210.58,490.52 1220.43,494.61 1228.9,501.1 1235.39,509.57 1239.48,519.42 1240.87,530
  pour cut-out net GND_POWER: 1140.87,430 1139.48,440.58 1135.39,450.43 1128.9,458.9 1120.43,465.39 1110.58,469.48 1100,470.87 1089.42,469.48 1079.57,465.39 1071.1,458.9 1064.61,450.43 1060.52,440.58 1059.13,430 1060.52,419.42 1064.61,409.57 1071.1,401.1 1079.57,394.61 1089.42,390.52 1100,389.13 1110.58,390.52 1120.43,394.61 1128.9,401.1 1135.39,409.57 1139.48,419.42 1140.87,430
  pour cut-out net GND_POWER: 1240.87,430 1239.48,440.58 1235.39,450.43 1228.9,458.9 1220.43,465.39 1210.58,469.48 1200,470.87 1189.42,469.48 1179.57,465.39 1171.1,458.9 1164.61,450.43 1160.52,440.58 1159.13,430 1160.52,419.42 1164.61,409.57 1171.1,401.1 1179.57,394.61 1189.42,390.52 1200,389.13 1210.58,390.52 1220.43,394.61 1228.9,401.1 1235.39,409.57 1239.48,419.42 1240.87,430
  pour cut-out net GND_POWER: 940.87,530 939.48,540.58 935.39,550.43 928.9,558.9 920.43,565.39 910.58,569.48 900,570.87 889.42,569.48 879.57,565.39 871.1,558.9 864.61,550.43 860.52,540.58 859.13,530 860.52,519.42 864.61,509.57 871.1,501.1 879.57,494.61 889.42,490.52 900,489.13 910.58,490.52 920.43,494.61 928.9,501.1 935.39,509.57 939.48,519.42 940.87,530
  pour cut-out net GND_POWER: 1040.87,530 1039.48,540.58 1035.39,550.43 1028.9,558.9 1020.43,565.39 1010.58,569.48 1000,570.87 989.42,569.48 979.57,565.39 971.1,558.9 964.61,550.43 960.52,540.58 959.13,530 960.52,519.42 964.61,509.57 971.1,501.1 979.57,494.61 989.42,490.52 1000,489.13 1010.58,490.52 1020.43,494.61 1028.9,501.1 1035.39,509.57 1039.48,519.42 1040.87,530
  pour cut-out net GND_POWER: 940.87,430 939.48,440.58 935.39,450.43 928.9,458.9 920.43,465.39 910.58,469.48 900,470.87 889.42,469.48 879.57,465.39 871.1,458.9 864.61,450.43 860.52,440.58 859.13,430 860.52,419.42 864.61,409.57 871.1,401.1 879.57,394.61 889.42,390.52 900,389.13 910.58,390.52 920.43,394.61 928.9,401.1 935.39,409.57 939.48,419.42 940.87,430
  pour cut-out net GND_POWER: 1040.87,430 1039.48,440.58 1035.39,450.43 1028.9,458.9 1020.43,465.39 1010.58,469.48 1000,470.87 989.42,469.48 979.57,465.39 971.1,458.9 964.61,450.43 960.52,440.58 959.13,430 960.52,419.42 964.61,409.57 971.1,401.1 979.57,394.61 989.42,390.52 1000,389.13 1010.58,390.52 1020.43,394.61 1028.9,401.1 1035.39,409.57 1039.48,419.42 1040.87,430
  pour cut-out net GND_POWER: 840.87,530 839.48,540.58 835.39,550.43 828.9,558.9 820.43,565.39 810.58,569.48 800,570.87 789.42,569.48 779.57,565.39 771.1,558.9 764.61,550.43 760.52,540.58 759.13,530 760.52,519.42 764.61,509.57 771.1,501.1 779.57,494.61 789.42,490.52 800,489.13 810.58,490.52 820.43,494.61 828.9,501.1 835.39,509.57 839.48,519.42 840.87,530
  pour cut-out net GND_POWER: 840.87,430 839.48,440.58 835.39,450.43 828.9,458.9 820.43,465.39 810.58,469.48 800,470.87 789.42,469.48 779.57,465.39 771.1,458.9 764.61,450.43 760.52,440.58 759.13,430 760.52,419.42 764.61,409.57 771.1,401.1 779.57,394.61 789.42,390.52 800,389.13 810.58,390.52 820.43,394.61 828.9,401.1 835.39,409.57 839.48,419.42 840.87,430
  region net GND_POWER: 737 vertices and 0 holes, not listed, extent -833.07,-1357.5 2452.5,1357.5
  text "4" at 2422.03,1184.48 h31 r270
L5_SIG:
  drawing of 19 lines, arcs and shapes, not listed
  text "5" at 2422.03,1134.48 h31 r270
L6_SIG:
  pour cut-out: 1862.5,-607.5 332.5,-607.5 -67.5,-207.5 -67.5,335 495,897.5 1540,897.5 1605,832.5 1642.5,832.5 1642.5,820 1677.5,785 1817.5,785 2186.2,416.3 2186.49,417.41 2187.05,419.97 2187.24,421.27 2187.3,421.61 2187.39,421.95 2187.5,422.28 2187.65,422.6 2187.82,422.9 2188.02,423.19 2188.24,423.45 2188.49,423.7 2188.75,423.93 2189.04,424.13 2189.34,424.31 2189.65,424.46 2189.98,424.58 2190.32,424.67 2190.66,424.73 2191.01,424.76 2191.36,424.77 2191.7,424.74 2192.05,424.68 2192.38,424.59 2192.71,424.47 2193.03,424.33 2193.33,424.16 2193.62,423.96 2193.89,423.74 2194.03,423.6 2262.53,355.11 2262.77,354.85 2262.98,354.58 2263.17,354.28 2263.33,353.97 2263.46,353.65 2263.57,353.32 2263.64,352.98 2263.69,352.63 2263.7,352.28 2263.69,351.93 2263.64,351.59 2263.56,351.24 2263.46,350.91 2263.33,350.59 2263.16,350.28 2262.98,349.99 2262.76,349.71 2262.53,349.45 2262.27,349.22 2261.99,349 2261.7,348.82 2261.39,348.65 2261.07,348.52 2260.73,348.42 2260.39,348.34 2260.05,348.3 2259.7,348.28 2254.22,348.28 2292.5,310 2292.5,7.5 2367.5,-67.5 2367.5,-420 2242.5,-545 2037.5,-545 2032.5,-540 1930,-540 1862.5,-607.5
  pour cut-out: 2293.61,419.96 2249.31,419.96 2223.56,445.71 2223.32,445.97 2223.11,446.24 2222.92,446.54 2222.76,446.85 2222.63,447.17 2222.52,447.5 2222.45,447.84 2222.4,448.19 2222.39,448.54 2222.4,448.89 2222.45,449.23 2222.53,449.58 2222.63,449.91 2222.76,450.23 2222.93,450.54 2223.11,450.83 2223.33,451.11 2223.56,451.37 2223.82,451.6 2224.1,451.82 2224.39,452 2224.7,452.17 2225.02,452.3 2225.36,452.4 2225.7,452.48 2226.04,452.52 2226.39,452.54 2270.69,452.54 2296.44,426.79 2296.68,426.53 2296.89,426.26 2297.08,425.96 2297.24,425.65 2297.37,425.33 2297.48,425 2297.55,424.66 2297.6,424.31 2297.61,423.96 2297.6,423.61 2297.55,423.27 2297.47,422.92 2297.37,422.59 2297.24,422.27 2297.07,421.96 2296.89,421.67 2296.67,421.39 2296.44,421.13 2296.18,420.9 2295.9,420.68 2295.61,420.5 2295.3,420.33 2294.98,420.2 2294.64,420.1 2294.3,420.02 2293.96,419.98 2293.61,419.96
  pour cut-out: 1837.54,791.22 1823.06,791.22 1800.96,813.31 1800.72,813.57 1800.51,813.84 1800.32,814.14 1800.16,814.45 1800.03,814.77 1799.92,815.1 1799.85,815.44 1799.8,815.79 1799.79,816.14 1799.8,816.49 1799.85,816.83 1799.92,817.17 1800.03,817.5 1800.16,817.83 1800.32,818.14 1800.51,818.43 1800.72,818.71 1800.95,818.97 1801.21,819.2 1801.49,819.41 1801.78,819.6 1802.09,819.76 1802.41,819.9 1802.75,820 1803.09,820.08 1803.43,820.12 1803.78,820.14 1804.13,820.13 1804.19,820.12 1806.63,819.98 1809.07,820.06 1811.5,820.34 1813.89,820.84 1816.24,821.55 1818.51,822.45 1820.69,823.55 1822.77,824.84 1824.73,826.3 1826.55,827.93 1828.22,829.71 1829.74,831.63 1830.22,832.32 1830.43,832.6 1830.66,832.86 1830.91,833.1 1831.19,833.32 1831.48,833.51 1831.78,833.68 1832.1,833.82 1832.43,833.93 1832.77,834.01 1833.12,834.06 1833.47,834.08 1833.82,834.08 1834.16,834.04 1834.51,833.97 1834.84,833.87 1835.17,833.74 1835.48,833.58 1835.78,833.4 1836.06,833.19 1836.32,832.96 1836.56,832.71 1836.78,832.44 1836.97,832.14 1837.13,831.84 1837.27,831.52 1837.38,831.19 1837.47,830.85 1837.52,830.5 1837.54,830.15 1837.54,830.09 1837.54,791.22
  pour cut-out net GND_POWER: 2078.63,1070 2077.28,1083.73 2073.27,1096.93 2066.77,1109.09 2058.02,1119.75 2047.36,1128.5 2035.2,1135 2022,1139.01 2008.27,1140.36 1994.54,1139.01 1981.34,1135 1973.24,1130.67 1969.18,1128.5 1958.52,1119.75 1949.77,1109.09 1943.27,1096.93 1939.26,1083.73 1937.91,1070 1939.26,1056.27 1943.27,1043.07 1949.77,1030.91 1958.52,1020.25 1969.18,1011.5 1973.24,1009.33 1981.34,1005 1994.54,1000.99 2008.27,999.64 2022,1000.99 2035.2,1005 2047.36,1011.5 2058.02,1020.25 2066.77,1030.91 2073.27,1043.07 2077.28,1056.27 2078.63,1070
  pour cut-out net GND_POWER: 1792.97,-1020 1791.17,-1006.29 1785.88,-993.51 1777.46,-982.54 1766.49,-974.12 1753.71,-968.83 1740,-967.03 1726.29,-968.83 1713.51,-974.12 1702.54,-982.54 1694.12,-993.51 1688.83,-1006.29 1687.03,-1020 1688.83,-1033.71 1694.12,-1046.49 1702.54,-1057.46 1713.51,-1065.88 1726.29,-1071.17 1740,-1072.97 1753.71,-1071.17 1766.49,-1065.88 1777.46,-1057.46 1785.88,-1046.49 1791.17,-1033.71 1792.97,-1020
  pour cut-out net GND_POWER: 1592.97,-1020 1591.17,-1006.29 1585.88,-993.51 1577.46,-982.54 1566.49,-974.12 1553.71,-968.83 1540,-967.03 1526.29,-968.83 1513.51,-974.12 1502.54,-982.54 1494.12,-993.51 1488.83,-1006.29 1487.03,-1020 1488.83,-1033.71 1494.12,-1046.49 1502.54,-1057.46 1513.51,-1065.88 1526.29,-1071.17 1540,-1072.97 1553.71,-1071.17 1566.49,-1065.88 1577.46,-1057.46 1585.88,-1046.49 1591.17,-1033.71 1592.97,-1020
  pour cut-out net GND_POWER: 1680.87,-1020 1679.48,-1009.42 1675.39,-999.57 1668.9,-991.1 1660.43,-984.61 1650.58,-980.52 1640,-979.13 1629.42,-980.52 1619.57,-984.61 1611.1,-991.1 1604.61,-999.57 1600.52,-1009.42 1599.13,-1020 1600.52,-1030.58 1604.61,-1040.43 1611.1,-1048.9 1619.57,-1055.39 1629.42,-1059.48 1640,-1060.87 1650.58,-1059.48 1660.43,-1055.39 1668.9,-1048.9 1675.39,-1040.43 1679.48,-1030.58 1680.87,-1020
  text "6" at 2422.03,1084.48 h31 r270

## Text inside footprints (layer, text, board x,y; h text height)
J101: PIN_NUMBER "4" at 95,1232.5 h25 r90; PIN_NUMBER "5" at 95,1232.5 h25 r90; PIN_NUMBER "3" at -235,1232.5 h25 r90; PIN_NUMBER "2" at -235,1232.5 h25 r90; PIN_NUMBER "1" at -70,1307.5 h25 r90; PAD_STACK_NAME "200X60BOT" at 260,1402.5 h50 r90; PAD_STACK_NAME "100X30TOP" at 185,1402.5 h50 r90; PAD_STACK_NAME "200X60TOP" at 110,1402.5 h50 r90; PAD_STACK_NAME "CNJOHNSON142-0701-851" at -725,1352.5 h50 r90; DISPLAY_TOP "05MAR99" at -149.6,1802.5 h32 r180; DISPLAY_TOP "QA/BTC" at -136.8,1752.5 h32 r180; DISPLAY_TOP "4MAR99" at -131.8,1007.5 h32 r180; DISPLAY_TOP "CEXI/GSR" at -162.4,957.5 h32 r180; ASSEMBLY_TOP "UPN" at -90,1252.5 h25 r180; ASSEMBLY_TOP "JOHNSON142-0701-851" at -250,1102.5 h25 r180
J102: PIN_NUMBER "2" at 95,-1232.5 h25 r270; PIN_NUMBER "3" at 95,-1232.5 h25 r270; PIN_NUMBER "5" at -235,-1232.5 h25 r270; PIN_NUMBER "4" at -235,-1232.5 h25 r270; PIN_NUMBER "1" at -70,-1307.5 h25 r270; PAD_STACK_NAME "200X60BOT" at -740,-1402.5 h50 r270; PAD_STACK_NAME "100X30TOP" at -665,-1402.5 h50 r270; PAD_STACK_NAME "200X60TOP" at -590,-1402.5 h50 r270; PAD_STACK_NAME "CNJOHNSON142-0701-851" at -235,-1352.5 h50 r270; DISPLAY_TOP "05MAR99" at -149.6,-1802.5 h32; DISPLAY_TOP "QA/BTC" at -136.8,-1752.5 h32; DISPLAY_TOP "4MAR99" at -141.8,-1007.5 h32; DISPLAY_TOP "CEXI/GSR" at -162.4,-957.5 h32; ASSEMBLY_TOP "UPN" at -90,-1252.5 h25; ASSEMBLY_TOP "JOHNSON142-0701-851" at -250,-1102.5 h25
J105: PIN_NUMBER "2" at 500,1260 h25; PIN_NUMBER "5" at 500,1060 h25; PIN_NUMBER "4" at 300,1060 h25; PIN_NUMBER "3" at 300,1260 h25; PIN_NUMBER "1" at 400,1160 h25; ASSEMBLY_BOTTOM "142-0701-201" at 169,1160 h25 r270; ASSEMBLY_BOTTOM "UPN" at 480,1161 h25 r270; PAD_STACK_NAME "CNJOHNSON142-0701-201" at -10,1425 h50; PAD_STACK_NAME "C110D63" at 270,875 h50; DISPLAY_BOTTOM "ADI/DML" at 563.2,1160 h31 r270; DISPLAY_BOTTOM "09DEC98" at 508.2,1160 h31 r270; DISPLAY_BOTTOM "QA/XXX" at 125.6,1160 h31 r270; DISPLAY_BOTTOM "18DXX08" at 58.2,1160 h31 r270
J110: PIN_NUMBER "3" at -717.5,615.53 h25; PIN_NUMBER "2" at -717.5,615.53 h25; PIN_NUMBER "4" at -717.5,285.53 h25; PIN_NUMBER "5" at -717.5,285.53 h25; PIN_NUMBER "1" at -792.5,450.53 h25; ASSEMBLY_BOTTOM "UPN" at -737.5,450.53 h25 r270; ASSEMBLY_BOTTOM "JOHNSON142-0701-851" at -747.5,450.53 h25 r270; PAD_STACK_NAME "200X60BOT" at -1057.5,-49.47 h50; PAD_STACK_NAME "100X30TOP" at -1057.5,25.53 h50; PAD_STACK_NAME "200X60TOP" at -1057.5,100.53 h50; PAD_STACK_NAME "CNJOHNSON142-0701-851" at -1227.5,695.53 h50; DISPLAY_BOTTOM "05MAR99" at -1367.1,450.53 h32 r270; DISPLAY_BOTTOM "QA/BTC" at -1304.3,450.53 h32 r270; DISPLAY_BOTTOM "4MAR99" at -559.3,445.53 h32 r270; DISPLAY_BOTTOM "CEXI/GSR" at -534.9,450.53 h32 r270
J111: PIN_NUMBER "5" at -717.5,-583.03 h25; PIN_NUMBER "4" at -717.5,-583.03 h25; PIN_NUMBER "2" at -717.5,-253.03 h25; PIN_NUMBER "3" at -717.5,-253.03 h25; PIN_NUMBER "1" at -792.5,-418.03 h25; ASSEMBLY_BOTTOM "UPN" at -737.5,-418.03 h25 r270; ASSEMBLY_BOTTOM "JOHNSON142-0701-851" at -747.5,-418.03 h25 r270; PAD_STACK_NAME "200X60BOT" at -1057.5,-918.03 h50; PAD_STACK_NAME "100X30TOP" at -1057.5,-843.03 h50; PAD_STACK_NAME "200X60TOP" at -1057.5,-768.03 h50; PAD_STACK_NAME "CNJOHNSON142-0701-851" at -1227.5,-173.03 h50; DISPLAY_BOTTOM "05MAR99" at -1367.1,-418.03 h32 r270; DISPLAY_BOTTOM "QA/BTC" at -1304.3,-418.03 h32 r270; DISPLAY_BOTTOM "4MAR99" at -559.3,-423.03 h32 r270; DISPLAY_BOTTOM "CEXI/GSR" at -534.9,-418.03 h32 r270
J112: PIN_NUMBER "5" at -717.5,972.5 h25; PIN_NUMBER "4" at -717.5,972.5 h25; PIN_NUMBER "2" at -717.5,1302.5 h25; PIN_NUMBER "3" at -717.5,1302.5 h25; PIN_NUMBER "1" at -792.5,1137.5 h25; ASSEMBLY_BOTTOM "UPN" at -737.5,1137.5 h25 r270; ASSEMBLY_BOTTOM "JOHNSON142-0701-851" at -747.5,1137.5 h25 r270; PAD_STACK_NAME "200X60BOT" at -1057.5,637.5 h50; PAD_STACK_NAME "100X30TOP" at -1057.5,712.5 h50; PAD_STACK_NAME "200X60TOP" at -1057.5,787.5 h50; PAD_STACK_NAME "CNJOHNSON142-0701-851" at -1227.5,1382.5 h50; DISPLAY_BOTTOM "05MAR99" at -1367.1,1137.5 h32 r270; DISPLAY_BOTTOM "QA/BTC" at -1304.3,1137.5 h32 r270; DISPLAY_BOTTOM "4MAR99" at -559.3,1132.5 h32 r270; DISPLAY_BOTTOM "CEXI/GSR" at -534.9,1137.5 h32 r270
J113: PIN_NUMBER "2" at -717.5,-975 h25; PIN_NUMBER "3" at -717.5,-975 h25; PIN_NUMBER "4" at -717.5,-1305 h25; PIN_NUMBER "5" at -717.5,-1305 h25; PIN_NUMBER "1" at -792.5,-1140 h25; ASSEMBLY_BOTTOM "UPN" at -737.5,-1140 h25 r270; ASSEMBLY_BOTTOM "JOHNSON142-0701-851" at -747.5,-1140 h25 r270; PAD_STACK_NAME "200X60BOT" at -1057.5,-1640 h50; PAD_STACK_NAME "100X30TOP" at -1057.5,-1565 h50; PAD_STACK_NAME "200X60TOP" at -1057.5,-1490 h50; PAD_STACK_NAME "CNJOHNSON142-0701-851" at -1227.5,-895 h50; DISPLAY_BOTTOM "05MAR99" at -1367.1,-1140 h32 r270; DISPLAY_BOTTOM "QA/BTC" at -1304.3,-1140 h32 r270; DISPLAY_BOTTOM "4MAR99" at -559.3,-1145 h32 r270; DISPLAY_BOTTOM "CEXI/GSR" at -534.9,-1140 h32 r270
L101: PIN_NUMBER "2" at 96.6,288.5 h25; PIN_NUMBER "1" at 178.98,288.5 h25; ASSEMBLY_BOTTOM "UPN" at 67.79,288.5 h25 r270; ASSEMBLY_BOTTOM "5" at 117.79,288.5 h25 r270; ASSEMBLY_BOTTOM "330nH" at 142.79,288.5 h25 r270; PAD_STACK_NAME "L0805-F" at 17.79,438.5 h50; PAD_STACK_NAME "43X59" at 57.79,138.5 h50; DISPLAY_BOTTOM "19JUN07" at -154.01,288.5 h31 r270; DISPLAY_BOTTOM "QA/LCL" at -91.61,288.5 h31 r270; DISPLAY_BOTTOM "16JUN07" at 220.99,288.5 h31 r270; DISPLAY_BOTTOM "ADI/AVB" at 270.99,288.5 h31 r270
L103: PIN_NUMBER "2" at 20.98,289 h25 r180; PIN_NUMBER "1" at -61.4,289 h25 r180; ASSEMBLY_BOTTOM "UPN" at 29.79,289 h25 r90; ASSEMBLY_BOTTOM "5" at 19.79,289 h25 r90; ASSEMBLY_BOTTOM "330nH" at -85.21,289 h25 r90; PAD_STACK_NAME "L0805-F" at -140.21,139 h50 r180; PAD_STACK_NAME "43X59" at -100.21,439 h50 r180; DISPLAY_BOTTOM "19JUN07" at 137.99,289 h31 r90; DISPLAY_BOTTOM "QA/LCL" at 100.39,289 h31 r90; DISPLAY_BOTTOM "16JUN07" at -237.01,289 h31 r90; DISPLAY_BOTTOM "ADI/AVB" at -287.01,289 h31 r90
L105: PIN_NUMBER "2" at -26.61,-276.5 h25 r180; PIN_NUMBER "1" at -108.99,-276.5 h25 r180; ASSEMBLY_BOTTOM "UPN" at -17.8,-276.5 h25 r90; ASSEMBLY_BOTTOM "5" at -27.8,-276.5 h25 r90; ASSEMBLY_BOTTOM "330nH" at -132.8,-276.5 h25 r90; PAD_STACK_NAME "L0805-F" at -187.8,-426.5 h50 r180; PAD_STACK_NAME "43X59" at -147.8,-126.5 h50 r180; DISPLAY_BOTTOM "19JUN07" at 90.4,-276.5 h31 r90; DISPLAY_BOTTOM "QA/LCL" at 52.8,-276.5 h31 r90; DISPLAY_BOTTOM "16JUN07" at -284.6,-276.5 h31 r90; DISPLAY_BOTTOM "ADI/AVB" at -334.6,-276.5 h31 r90
L107: PIN_NUMBER "2" at 49.01,-276 h25; PIN_NUMBER "1" at 131.39,-276 h25; ASSEMBLY_BOTTOM "UPN" at 20.2,-276 h25 r270; ASSEMBLY_BOTTOM "5" at 70.2,-276 h25 r270; ASSEMBLY_BOTTOM "330nH" at 95.2,-276 h25 r270; PAD_STACK_NAME "L0805-F" at -29.8,-126 h50; PAD_STACK_NAME "43X59" at 10.2,-426 h50; DISPLAY_BOTTOM "19JUN07" at -201.6,-276 h31 r270; DISPLAY_BOTTOM "QA/LCL" at -139.2,-276 h31 r270; DISPLAY_BOTTOM "16JUN07" at 173.4,-276 h31 r270; DISPLAY_BOTTOM "ADI/AVB" at 223.4,-276 h31 r270
L301: PIN_NUMBER "1" at 1368,795.83 h25 r180; PIN_NUMBER "2" at 1271,795.83 h25 r180; PAD_STACK_NAME "LSMSQ157H83" at 1127.5,624.17 h50 r180; PAD_STACK_NAME "58X145" at 1227.5,964.17 h50 r180; DISPLAY_TOP "QA/KJBN" at 1110.36,787.5 h31 r270; DISPLAY_TOP "03DEC10" at 1070.36,787.5 h31 r270; DISPLAY_TOP "03DEC10" at 1390.37,787.5 h31 r270; DISPLAY_TOP "ADI/RGS" at 1430.37,787.5 h31 r270; ASSEMBLY_TOP "2.2uH" at 1297.5,775.83 h25 r180; ASSEMBLY_TOP "20" at 1327.5,815.84 h25 r180; ASSEMBLY_TOP "UPN" at 1317.5,855.84 h25 r180
L302: PIN_NUMBER "1" at 1643.33,800.41 h25 r90; PIN_NUMBER "2" at 1643.33,900.59 h25 r90; PAD_STACK_NAME "L1210H67" at 1364.03,842.5 h50 r90; PAD_STACK_NAME "79X49" at 1719.31,842.5 h50 r90; DISPLAY_TOP "06JUN12" at 1568.2,1010.31 h31 r180; DISPLAY_TOP "QA/JSM" at 1580.6,970.94 h31 r180; DISPLAY_TOP "06JUN12" at 1568.2,744.57 h31 r180; DISPLAY_TOP "ADI/RGS" at 1568.2,705.2 h31 r180; ASSEMBLY_TOP "0.47uH" at 1595,831.15 h25 r180; ASSEMBLY_TOP "30" at 1635,870.52 h25 r180; ASSEMBLY_TOP "UPN" at 1625,909.89 h25 r180